# KiCad board ZakladniElektronika.kicad_pcb (continued)
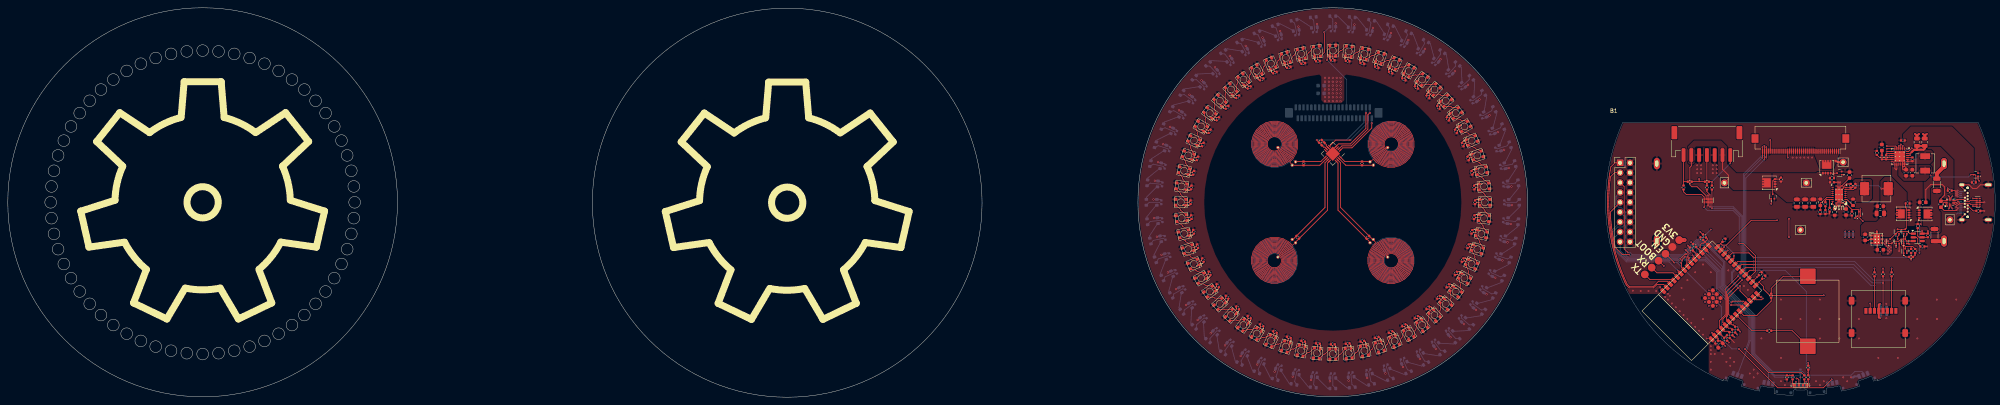
[diagram p0: board, top side]
## Routing (per net, layer and track width the routed paths; a pad name or vN(x,y) marks a point on that pad's centre or on a via; arc(x,y) is an arc through that point) (continued)
Net-(D125-GK): length 1.6
  Top w0.2: R5.1 461,3.48 D125.3
Net-(D125-RK): length 1.7
  Top w0.2: R11.1 458,3.49 D125.2
Net-(F1-Pad2): length 4.6
  Top w1: F1.2 495,57.5 496.85,59.35 U14.3
Net-(F2-Pad2): length 2.5
  Top w1: F2.2 496.8,40.1 U14.1
Net-(J4-Pin_1): length 10.6
  Top w0.2: v1(442,60.1) J4.1 ; R48.1 v1(437.3,55.4) R29.1
  Bottom w0.2: v1(437.3,55.4) v1(442,60.1)
Net-(J4-Pin_4): length 7.8
  Top w0.2: R30.1 J4.4
Net-(J4-Pin_7): length 8.9
  Top w0.2: R49.1 430,55.4 ; 430,55.4 R45.1 ; 430,55.4 J4.7
Net-(Q1-D): length 5.9
  Top w0.2: R1.2 454.61,56.07 U9.4 453.37,56.07 452.9,55.61 Q1.3
Net-(Q2-D): length 3
  Top w0.2: R32.2 468.61,57.59 468.6,57.6 ; 468.6,57.6 Q2.3 ; 468.6,57.6 U15.4
Net-(Q4-D): length 6.9
  Top w0.2: U12.1 488.1,42.05 487.6,42.55 485.02,42.55 Q5.1 484.43,42.02 483.07,40.67 Q4.3
Net-(Q4-G): length 11.8
  Top w0.2: 488.4,38.75 488.81,38.75 R51.2 ; 488.4,38.75 R52.1 ; 488.4,38.75 486.9,38.75 ; Q6.1 486.5,40.65 ; 486.5,40.65 485.8,40.65 485.25,40.1 483.98,40.1 Q4.2 Q4.1 ; 486.5,40.65 Q7.1 486.5,39.15 486.9,38.75 ; 486.9,38.75 Q8.3
Net-(Q5-D): length 9.5
  Top w0.2: R40.2 486.99,48.86 487.15,48.7 487.15,48.11 ; 487.15,48.11 487.15,43.42 Q6.3 Q5.3 ; 487.15,48.11 U8.4
Net-(Q6-S): length 9.1
  Top w0.2: R50.1 487,36.05 486.5,36.55 Q8.1 486.5,38.65 485.9,39.25 v1(485.9,40.1) ; Q6.2 487.3,41.65 486.9,41.25 Q7.3 486.9,40.54 v1(487.34,40.1)
  Bottom w0.2: v1(485.9,40.1) v1(487.34,40.1)
Net-(Q9-G): length 32
  Top w0.2: v1(505.89,55.6) 505.59,55.9 505.59,56.79 Q9.1 ; v1(487.95,40.15) U12.3
  In1.Cu w0.2: v1(487.95,40.15) 490,42.2 493.6,42.2 495.2,43.8 502.85,43.8 506.15,47.1 506.15,55.34 v1(505.89,55.6)
Net-(Q28-D): length 1.5
  Top w0.2: Q5.2 485.3,41.65 484.95,41.3 Q28.3
Net-(U1-IN0A): length 8.2
  Top w0.2: U1.9 336.92,60.58 C8.1 330.52,60.58 L1.2
Net-(U1-IN0B): length 9.6
  Top w0.2: 329.6,59.64 329.63,59.62 C8.2 336.67,59.62 U1.10
Net-(U1-IN1A): length 24.4
  Top w0.2: U1.11 338,60.25 338,48.78 C9.1 329.77,40.54 L2.2
Net-(U1-IN1B): length 24.6
  Top w0.2: U1.12 338.66,60.2 338.66,48.08 C9.2 330.46,39.88 330.46,39.7
Net-(U1-IN2A): length 24.6
  Top w0.2: U1.13 341.34,60.2 341.34,48.08 C10.1 349.56,39.87 L3.2
Net-(U1-IN2B): length 24.4
  Top w0.2: 350.4,40.56 350.22,40.56 C10.2 342,48.78 342,60.25 U1.14
Net-(U1-IN3A): length 9.6
  Top w0.2: U1.15 343.33,59.62 C11.1 350.37,59.62 L4.2
Net-(U1-IN3B): length 8.2
  Top w0.2: U1.16 343.08,60.58 C11.2 349.46,60.58 349.54,60.5
Net-(U3-BTST): length 1.3
  Top w0.2: U3.21 488.73,61.65 C6.2
Net-(U3-ILIM): length 4.2
  Top w0.2: U3.10 480.24,61.65 R19.1
Net-(U3-PMID): length 8.8
  Top w0.2: 488.4,62.85 488.2,62.65 U3.23
  Top w0.5: 489.65,63.6 491.59,63.6 491.9,63.91 C151.1 C147.1 489.9,63.6 489.65,63.6 ; 489.65,63.6 489.15,63.6 488.5,62.95
Net-(U3-REGN): length 9.4
  Top w0.2: R20.1 v1(480.9,62.68) C7.1 ; v1(488.15,62.2) 488.1,62.15 U3.22
  In1.Cu w0.2: v1(488.15,62.2) 487.88,62.47 483.63,62.47 483.4,62.7 480.92,62.7 v1(480.9,62.68)
Net-(U3-TS): length 2.6
  Top w0.2: R20.2 R21.2 482.01,61.15 U3.11
Net-(U12-VCC): length 4.8
  Top w0.2: C144.1 492.68,41.1 U12.5 490.45,41.1 490.1,41.45 R26.2
Net-(U12-VM): length 3.6
  Top w0.2: U12.2 489.75,41.1 490.1,40.75 490.1,39.44 R34.2
Net-(U16-BOOT): length 2.8
  Top w0.2: U16.8 473.58,53.35 C148.2
Net-(U16-COMP): length 4.6
  Top w0.2: R56.1 466.4,50.55 466.7,50.85 467.5,50.85 ; 467.5,50.85 U16.18 ; 467.5,50.85 C158.1
Net-(U16-FB): length 5.5
  Top w0.2: U16.17 466.78,51.35 465.53,50.1 465.3,50.1 465.1,49.9 R57.2 R58.2
Net-(U16-FSW): length 2.6
  Top w0.2: R54.2 471.92,50.85 U16.3
Net-(U16-ILIM): length 2.2
  Top w0.2: U16.19 468.25,49.7 468.8,49.15 R55.1
Net-(U16-SS): length 2.9
  Top w0.2: C150.1 470.65,54.37 U16.10
Net-(U16-VCC): length 2.2
  Top w0.2: C155.1 471.7,49.25 471,49.95 U16.1

## Copper pours and planes (outline as drawn; the poured copper is in the pictures)
/HlavniDeska/3V3 on Top: 480.5,41.05 480.5,37.1 481,36.6 483,36.6 483.5,37.1 483.5,39.6 484,40.1 484,41.05
/HlavniDeska/3V3 on In1.Cu: 515,106.1 515,-4.9 405,-4.9 405,106.1
/HlavniDeska/5V-OUT on Top: 463.5,62.6 465,58.75 468.5,58.75 470,62.6 470,63.8 463.5,63.8
/HlavniDeska/ModulovyKonektor/5V on Top: 452.6,57.6 443.55,57.6 441.15,60 441.15,64.5 439.65,66 432.65,66 431.15,64.5 431.15,60.2 431.5,59.85 432.5,59.85 432.85,60.2 432.85,64.1 433.2,64.45 438.5,64.45 438.85,64.1 438.85,57.15 442.8,53.2 452.6,53.2
/HlavniDeska/SpravceNapajeni/5V-IN on Top: 468.1,54.85 468.8,54.15 468.8,51.6 467,51.6 465.5,50.1 456.48,50.1 452.8,53.2 452.8,57.6 464,57.6 464.3,57.9 467.7,57.9 468.1,57.5
/HlavniDeska/SpravceNapajeni/Power multiplier/VCC on Top: 487.4,42.55 485,42.55 483.6,41.15 475.95,41.15 475.5,41.6 475.5,44.1 476.5,45.1 479.5,45.1 480.5,46.1 480.5,55.5 481.65,56.65 483.45,56.65 487.4,52.7
/LedDeska/5V on Bottom: 285,105.1 396,105.1 396,-4.9 285,-4.9
GND on Top: 485.7,60.45 486.1,60.05 486.1,58.05 486.4,57.75 489.5,57.75 490.05,58.3 490.05,59.75 487.6,59.75 486.9,60.45
GND on Top, Bottom, In2.Cu: 408,102.1 512,102.1 512,-1.9 408,-1.9
(no net) on Bottom: 110.25,75.1 110,22.6 75,-9.9 25,-10.15 -10,22.6 -10,75.1 25,110.1 75,110.1
(no net) on Bottom: 260.25,75 260,22.5 225,-10 175,-10.25 140,22.5 140,75 175,110 225,110
/HlavniDeska/SpravceNapajeni/Charging/BATT on Top: 487.5,52.75 483.5,56.75 483.5,60.45 485,60.45 485,57 486.45,55.55 491.4,55.55 491.4,49.2 491.2,49 491.2,44 487.4,44 487.4,49.3 487.5,49.3
/HlavniDeska/SpravceNapajeni/Charging/SW on Top: 486.95,60.5 487.6,59.85 493.15,59.85 494,60.7 494,63.1 493.5,63.6 490.8,63.6 490,62.8 490,61.6 489.75,61.35 486.95,61.35
/HlavniDeska/SpravceNapajeni/Charging/SYS on Top: 486,60.45 486,57.95 486.3,57.65 489.55,57.65 490.15,58.25 490.15,59.75 493.15,59.75 493.75,59.15 493.75,57.25 492.1,55.6 486.5,55.6 485.1,57 485.1,60.45
/HlavniDeska/USB/V_USB on Top: 502.9,47.7 500.2,47.7 499.5,48.4 499.5,49.65 502.2,49.65 502.9,48.95
/HlavniDeska/USB/V_USB on Top: 499.5,57.1 499.5,61.09 496,64.59 489.1,64.59 487.75,63.24 486.3,63.24 486.3,67.6 488.3,69.6 498.9,69.6 504.5,64.04 504.5,57.1
/HlavniDeska/USB/V_USB on Top: 502.9,53.25 502.05,54.1 501.4,54.1 501.4,55.15 504.5,55.15 504.5,58.1 499.5,58.1 499.5,50.5 502.2,50.5 502.9,51.2
/HlavniDeska/USB/V_USB on Bottom: 497.15,48.4 497.85,47.7 502.9,47.7 502.9,48.95 502.2,49.65 502.2,50.5 502.9,51.2 502.9,52.1 500.75,52.1 500.75,53.1 500.45,53.4 497.6,53.4 497.15,52.95
/LedDeska/LED-GND on Top: 288,102.1 392,102.1 392,-1.9 288,-1.9
/LedDeska/LED-GND on Bottom: 336.55,70.45 343.45,70.45 343.45,72.85 342.95,73.35 342.94,82.3 342.25,82.99 340,83.1 337.03,82.95 337.05,73.35 336.55,72.85
SW on Top: 471,53.1 471,51.1 472.2,51.1 473.1,50.2 477.5,50.2 478.4,51.1 478.4,55.7 478,56.1 474,56.1 473.5,55.6 473.5,53.5 473.1,53.1
Net-(U3-PMID) on Top: 492.55,64.45 492.55,63.65 490.76,63.65 489.95,62.84 489.95,61.65 489.7,61.4 486.95,61.4 486.95,63.1 487.8,63.1 489.15,64.45
Net-(U7-D) on Top: 491.3,44 492.5,44 492.9,43.6 492.9,42.5 493.3,42.1 495.6,42.1 496,42.5 496,47.6 495.5,48.1 495.5,51.1 496.5,52.1 496.5,53.65 496.05,54.1 493.95,54.1 493.5,53.65 493.5,49.6 493,49.1 491.45,49.1 491.3,48.95

## Text on the board
F.Silkscreen: TX / RX / BOOT / EN / GND / 3V3
